# Altium PCB 1VAR_TOP.PcbDoc (part 3 of 4) (continued)
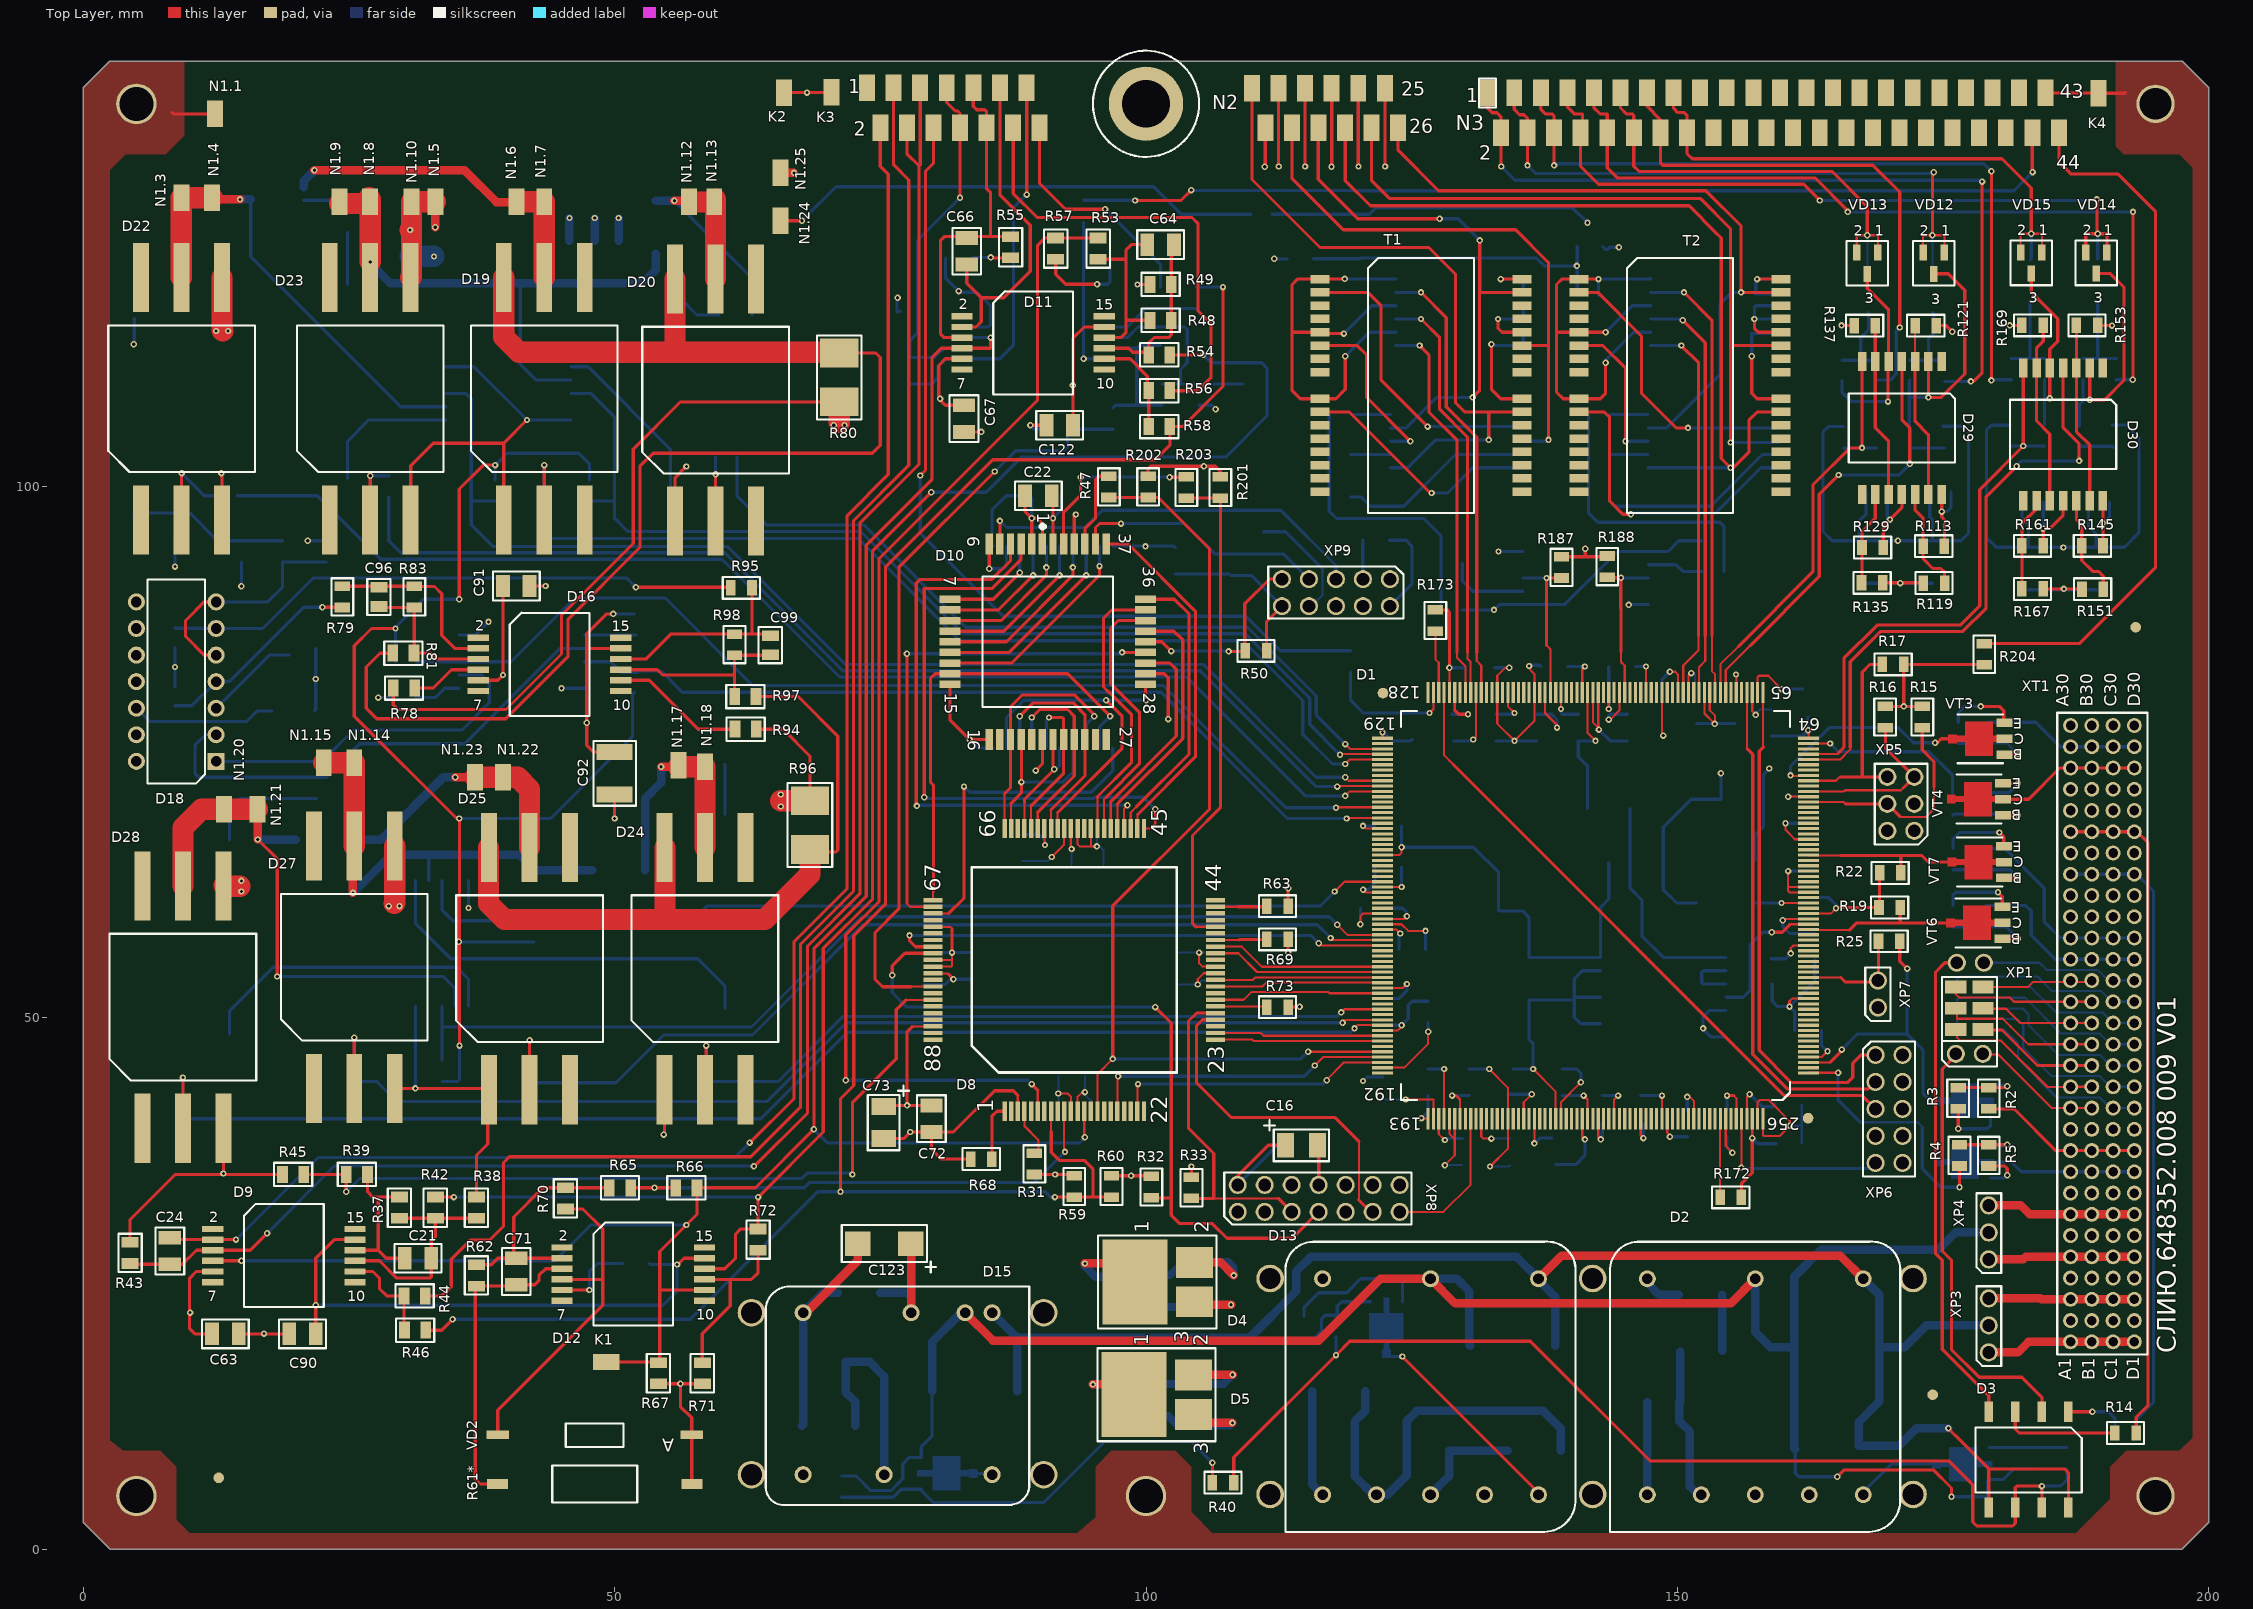
[diagram p0: Top Layer view]
## Nets (pads, with @x,y where several pads share a name; then routed paths per layer and width w, separated by ;. In a path a pad name is that pad's centre, name@x,y a point inside that pad or via, vN(x,y) a via of type N, cw(c..) or ccw(c..) an arc to the next point about the centre after c; other vN are vias at no path point) (continued)
NetD29_6: D29.6 D29.10 R137.2 | length 16.4
  Top Layer w0.3: R137.2@168.625,115.125 D29.6@168.625,111.75 168.625,105.5 169.875,104.25 D29.10@169.875,99.25
NetD29_9: D29.9 R129.2 R135.2 | length 9.3
  Top Layer w0.3: R135.2@167.375,90.5 R129.2@167.375,94.25 167.375,95.75 168.625,97 D29.9@168.625,99.25
NetD29_11: D29.11 R123.1 R129.1 | length 8.6
  Top Layer w0.3: R129.1@169.375,94.25 169.375,96.25 v1(170,96.875) 171.125,98 D29.11@171.125,99.25
  Bottom Layer w0.3: R123.1@169.75,99.625 169.75,97.125 v1(170,96.875)
NetD29_12: D29.12 R113.2 R119.2 | length 10.3
  Top Layer w0.3: D29.12@172.375,99.25 172.375,97.75 173.125,97 R113.2@173.125,94.375 173.125,93.2 174.05,92.275 174.775,92.275 175.15,91.9 R119.2@175.15,90.9 R119.2@175.15,90.5
NetD29_14: D29.14 R107.1 R113.1 | length 7.5
  Top Layer w0.3: D29.14@174.875,99.25 v1(174.875,97.625) 174.875,97.125 175.125,96.875 R113.1@175.125,94.375
  Bottom Layer w0.3: v1(174.875,97.625) 175.375,97.625 175.75,98 R107.1@175.75,99.5
NetD30_2: D30.2 R143.1 R148.2 VD14.3 | length 24.2
  Top Layer w0.3: D30.2@188.8,111.15 v1(188.8,108.15) 190.2,108.15 192.025,109.975 192.025,118.75 190.75,120.025 VD14.3@189.425,120.025 VD14.3@189.3,119.9
  Bottom Layer w0.3: R143.1@187.825,105.7 187.825,107.725 188.175,108.075 ; R148.2@188.175,110.025 188.175,108.075 ; v1(188.8,108.15) 188.25,108.15 188.175,108.075
NetD30_3: D30.3 D30.13 R153.2 | length 17
  Top Layer w0.3: R153.2@187.55,115.15 187.55,105.15 188.8,103.9 D30.13@188.8,98.65
NetD30_5: D30.5 R159.1 R164.2 VD15.3 | length 17.8
  Top Layer w0.3: VD15.3@183.3,120.025 183.3,118.275 185.8,115.775 185.8,113.65 185.05,112.9 D30.5@185.05,111.15 v1(185.05,108.275)
  Bottom Layer w0.3: R159.1@184.55,105.775 184.55,108.275 ; R164.2@184.55,110.025 184.55,108.275 ; v1(185.05,108.275) 184.55,108.275
NetD30_6: D30.6 D30.10 R169.2 | length 17.3
  Top Layer w0.3: R169.2@184.425,115.15 184.425,113.65 183.8,113.025 D30.6@183.8,111.15 183.8,106.15 185.05,104.9 D30.10@185.05,98.65
NetD30_9: D30.9 R161.2 R167.2 | length 9.3
  Top Layer w0.3: R167.2@182.425,89.9 R167.2@182.425,90.35 R161.2@182.425,94.4 182.425,96.525 183.8,97.9 D30.9@183.8,98.65
NetD30_11: D30.11 R155.1 R161.1 | length 7.9
  Top Layer w0.3: R161.1@184.425,94.4 v1(184.425,96.025) 185.05,96.025 186.3,97.275 D30.11@186.3,98.65
  Bottom Layer w0.3: v1(184.425,96.025) R155.1@184.425,98.525
NetD30_12: D30.12 R145.2 R151.2 | length 10.1
  Top Layer w0.3: D30.12@187.55,98.65 187.55,96.9 188.05,96.4 R145.2@188.05,94.4 188.05,93.025 189.075,92 189.625,92 190.075,91.55 R151.2@190.075,90.325 R151.2@190.075,89.95
NetD30_14: D30.14 R139.1 R145.1 | length 6.5
  Top Layer w0.3: R145.1@190.05,94.4 v1(190.05,96.525) D30.14@190.05,98.65
  Bottom Layer w0.3: v1(190.05,96.525) 190.675,97.15 R139.1@190.675,98.525
NetD34_3: D34.3 R196.2 | length 7.8
  Bottom Layer w0.3: R196.2@129.75,92.75 129.75,91.125 130.75,90.125 D34.3@135.475,90.125
NetD34_10: D34.10 R194.2 | length 5.4
  Bottom Layer w0.3: D34.10@147.275,92.625 149.875,92.625 150.5,92 R194.2@152.375,92
NetD35_1: D35.1 D35.2 T1.32 | length 5.4
  Top Layer w0.3: v1(133.375,119.5) T1.32@135.375,119.5
  Bottom Layer w0.3: v1(133.375,119.5) D35.1@135.5,119.5 D35.2@135.5,118.25
NetD35_3: D35.3 D35.4 T1.28 | length 6.9
  Top Layer w0.3: v1(133.125,115.75) 133.125,114.875 133.5,114.5 T1.28@135.375,114.5
  Bottom Layer w0.3: v1(133.125,115.75) D35.4@135.5,115.75 D35.3@135.5,117
NetD35_5: D35.5 D35.6 T1.24 | length 11.8
  Top Layer w0.3: v1(132.5,113.375) 132.5,109.125 133.375,108.25 T1.24@135.375,108.25
  Bottom Layer w0.3: v1(132.5,113.375) 132.625,113.25 D35.6@135.5,113.25 D35.5@135.5,114.5
NetD35_12: D35.12 D35.14 D35.16 R192.1 T1.1 T1.5 T1.9 | length 45.3
  Top Layer w0.3: v1(118.625,114.375) 116.5,114.375 T1.5@116.375,114.5 113.75,114.5 ; v1(118.7,119.525) 116.4,119.525 T1.1@116.375,119.5 114.25,119.5 113.75,119 113.75,114.5 ; v1(118.75,112.25) 118.75,109.125 117.875,108.25 T1.9@116.375,108.25 114.5,108.25 113.75,109 113.75,114.5
  Bottom Layer w0.3: v1(118.625,114.375) 121.25,117 D35.14@123.5,117 ; v1(118.7,119.525) 118.725,119.5 D35.16@123.5,119.5 ; v1(118.75,112.25) 121,114.5 D35.12@123.5,114.5
NetD36_2: D36.2 T1.2 | length 28.5
  Top Layer w0.3: T1.2@116.375,118.25 120.875,118.25 122.125,117 122.125,110 v1(126.5,105.625)
  Bottom Layer w0.3: v1(126.5,105.625) 135.375,105.625 D36.2@135.5,105.5
NetD36_3: D36.3 N2.18 T1.27 | length 53.8
  Top Layer w0.3: N2.18@113.725,133.725 113.725,129 118.575,124.15 134.775,124.15 137.875,121.05 ; T1.27@135.375,113.25 137.875,113.25 ; v1(137.875,104.375) 137.875,113.25 ; 137.888,121.037 137.875,121.05 ; 137.875,113.25 137.875,121.05
  Bottom Layer w0.3: D36.3@135.5,104.25 137.75,104.25 v1(137.875,104.375)
NetD36_4: D36.4 R198.1 | length 18.6
  Bottom Layer w0.3: R198.1@119.25,99 120.25,99 121.125,98.125 124.25,98.125 129.125,103 D36.4@135.5,103
NetD36_5: D36.5 T1.10 | length 23.3
  Top Layer w0.3: T1.10@116.375,107 119.125,107 126.75,99.375 v1(126.875,99.375)
  Bottom Layer w0.3: v1(126.875,99.375) 128.375,99.375 130.75,101.75 D36.5@135.5,101.75
NetD36_10: D36.10 N2.15 T1.23 | length 63.1
  Top Layer w0.3: N2.15@109.975,137.475 109.975,128.875 116.375,122.475 126.625,122.475 129.125,119.975 129.125,107.875 130,107 132.25,107 ; v1(132.25,104.375) 132.25,107 ; T1.23@135.375,107 132.25,107
  Bottom Layer w0.3: D36.10@123,101.75 124.625,101.75 127.25,104.375 v1(132.25,104.375)
NetD36_11: D36.11 R200.1 | length 3.8
  Bottom Layer w0.3: R200.1@119.25,103 D36.11@123,103
NetD36_12: D36.12 T1.6 | length 16.4
  Top Layer w0.3: T1.6@116.375,113.25 119.875,113.25 120.75,112.375 120.75,108.375 v1(124.875,104.25)
  Bottom Layer w0.3: D36.12@123,104.25 v1(124.875,104.25)
NetD36_13: D36.13 N2.20 T1.31 | length 50.4
  Top Layer w0.3: N2.20@116.225,133.725 116.2,133.7 116.2,128.9 119.925,125.175 v1(127.625,125.175) ; v1(130.75,108.375) 131.375,109 131.375,118.25 ; v1(131.4,123.15) 131.4,118.275 131.375,118.25 ; T1.31@135.375,118.25 131.375,118.25
  Bottom Layer w0.3: D36.13@123,105.5 124.5,105.5 127.375,108.375 v1(130.75,108.375) ; v1(127.625,125.175) 129.375,125.175 v1(131.4,123.15)
NetD36_14: D36.14 R195.1 | length 3.4
  Bottom Layer w0.3: R195.1@119.625,106.75 D36.14@123,106.75
NetD37_1: D37.1 D37.2 T2.32 | length 7.7
  Top Layer w0.3: v1(157.5,119.5) T2.32@159.75,119.5
  Bottom Layer w0.3: D37.2@159.375,118.125 157.375,118.125 157.375,119.375 v1(157.5,119.5) D37.1@159.5,119.5
NetD37_3: D37.3 D37.4 T2.28 | length 9.2
  Top Layer w0.3: v1(157.25,115.75) 157.25,114.875 157.625,114.5 T2.28@159.75,114.5
  Bottom Layer w0.3: D37.4@159.5,115.75 v1(157.25,115.75) 157.25,116.875 157.375,117 D37.3@159.5,117
NetD37_5: D37.5 D37.6 T2.24 | length 13.3
  Top Layer w0.3: v1(157,112.25) 157,108.75 157.5,108.25 T2.24@159.75,108.25
  Bottom Layer w0.3: v1(157,112.25) 157,114.375 D37.5@159.375,114.375 ; 157.125,113.25 D37.6@159.5,113.25
NetD37_12: D37.12 D37.14 D37.16 R191.1 T2.1 T2.5 T2.9 | length 44.3
  Top Layer w0.3: v1(142.575,119.5) T2.1@140.75,119.5 139.125,119.5 138.625,119 138.625,114.5 ; v1(143.25,111.625) 143.25,108.75 142.75,108.25 T2.9@140.75,108.25 139.25,108.25 138.625,108.875 138.625,114.5 ; v1(143.25,114.5) T2.5@140.75,114.5 138.625,114.5
  Bottom Layer w0.3: R191.1@142.575,117.95 v1(142.575,119.5) 147.35,119.5 147.425,119.575 D37.16@147.5,119.5 ; v1(143.25,111.625) 143.25,111.875 145.875,114.5 D37.12@147.5,114.5 ; v1(143.25,114.5) 145.75,117 D37.14@147.5,117
NetD38_2: D38.2 T2.2 | length 27.4
  Top Layer w0.3: T2.2@140.75,118.25 142.5,118.25 146.625,114.125 146.625,108.75 149.875,105.5 v1(151,105.5)
  Bottom Layer w0.3: v1(151,105.5) D38.2@159.75,105.5
NetD38_3: D38.3 N2.24 T2.27 | length 70.1
  Top Layer w0.3: N2.24@121.225,133.725 121.225,128.775 122.9,127.1 152.15,127.1 155,124.25 155,113.25 ; v1(155,104.125) 155,113.25 ; T2.27@159.75,113.25 155,113.25
  Bottom Layer w0.3: v1(155,104.125) D38.3@159.625,104.125
NetD38_4: D38.4 R197.1 | length 19.4
  Bottom Layer w0.3: R197.1@143.625,99.625 143.625,98.625 144.125,98.125 153.125,98.125 158,103 D38.4@159.75,103
NetD38_5: D38.5 T2.10 | length 29.4
  Top Layer w0.3: T2.10@140.75,107 143.125,107 143.625,106.5 143.625,98.625 144.875,97.375 v1(145.625,97.375)
  Bottom Layer w0.3: v1(145.625,97.375) 145.75,97.5 153.625,97.5 157.875,101.75 D38.5@159.75,101.75
NetD38_10: D38.10 N2.22 T2.23 | length 81
  Top Layer w0.3: N2.22@118.725,133.725 118.75,133.7 118.75,128.775 121.125,126.4 151.1,126.4 153.625,123.875 154.125,123.375 154.125,102.625 v1(155,101.75) 155.25,101.75 156.75,103.25 156.75,106.25 157.5,107 T2.23@159.75,107
  Bottom Layer w0.3: D38.10@147.25,101.75 v1(155,101.75)
NetD38_11: D38.11 R199.1 | length 3.6
  Bottom Layer w0.3: R199.1@143.625,103 D38.11@147.25,103
NetD38_12: D38.12 T2.6 | length 14.3
  Top Layer w0.3: T2.6@140.75,113.25 143,113.25 145.125,111.125 v1(145.125,104.25)
  Bottom Layer w0.3: v1(145.125,104.25) D38.12@147.25,104.25
NetD38_13: D38.13 N2.26 T2.31 | length 65.2
  Top Layer w0.3: N2.26@123.725,133.725 123.725,131.625 127.525,127.825 152.675,127.825 156,124.5 v1(156,118.25) T2.31@159.75,118.25
  Bottom Layer w0.3: D38.13@147.25,105.5 149,105.5 154,110.5 154,117.125 155.125,118.25 v1(156,118.25)
NetD38_14: D38.14 R193.1 | length 3.6
  Bottom Layer w0.3: R193.1@143.625,106.75 D38.14@147.25,106.75
NetN1.24_1: N1.24.1 R207.1 | length 46.6
  Top Layer w0.3: N1.24.1@65.625,125 v1(67.625,125)
  Bottom Layer w0.3: v1(67.625,125) 70.825,128.2 100.725,128.2 103.325,125.6 R207.1@109.85,125.6
NetN2_3: N2.3 R44.1 | length 148.4
  Top Layer w0.3: R44.1@32.175,23.825 33.75,23.825 34.625,24.7 34.625,27.275 36.425,29.075 38.225,29.075 39.55,30.4 39.55,36.375 40.1,36.925 62.809,36.925 67.5,41.616 67.5,56.94 72.475,61.915 72.475,96.775 77.675,101.975 77.675,128.825 76.25,130.25 N2.3@76.25,137.5
NetN2_6: N2.6 R205.1 | length 83.8
  Top Layer w0.3: v1(78.75,101.025) 79.25,101.525 79.25,129.65 80,130.4 N2.6@80,133.75
  Bottom Layer w0.3: v1(78.75,101.025) 78.75,95.6 86.575,87.775 109.375,87.775 112.625,84.525 R205.1@119.25,84.525
NetN2_12: N2.12 R56.1 | length 44.1
  Top Layer w0.3: N2.12@87.5,133.75 87.5,127.55 89.75,125.3 104.325,125.3 104.9,124.725 104.9,116.5 106.125,115.275 106.125,110.25 104.875,109 R56.1@102.25,109
NetN2_14: N2.14 R34.1 | length 21.9
  Top Layer w0.3: N2.14@89.975,133.725 89.975,128.525 92.425,126.075 v1(96.15,126.075)
  Bottom Layer w0.3: v1(96.15,126.075) 101.375,120.85 R34.1@101.375,118.75
NetN3_1: N3.1 N3.2 R115.1 | length 75.4
  Top Layer w0.3: N3.1@132.15,137.025 132.15,135.575 132.575,135.15 133.025,135.15 133.4,134.775 N3.2@133.4,133.275 133.4,130.125 v1(133.425,130.1) ; v1(177.625,109.875) 177.875,109.875 178.675,110.675 v1(178.675,128.675)
  Bottom Layer w0.3: v1(133.425,130.1) 134.725,128.8 178.55,128.8 v1(178.675,128.675) ; R115.1@175.125,109.875 v1(177.625,109.875)
NetN3_5: N3.5 N3.6 R163.1 | length 70.8
  Top Layer w0.3: N3.5@137.15,137.025 137.15,135.5 137.625,135.025 138.225,135.025 138.4,134.85 N3.6@138.4,133.275 v1(138.4,130.2) ; v1(179.55,109.975) v1(179.55,129.65)
  Bottom Layer w0.3: v1(138.4,130.2) 138.55,130.35 178.85,130.35 v1(179.55,129.65) ; v1@179.525,110.025 v1@179.55,110.025 ; v1(179.55,109.975) 179.6,110.025 R163.1@181.425,110.025
NetN3_9: N3.9 N3.10 R147.1 | length 76.6
  Top Layer w0.3: N3.9@142.15,137.025 142.15,135.625 142.725,135.05 143.4,135.05 N3.10@143.4,133.275 143.4,129.975 144.35,129.025 162.95,129.025 166.025,125.95 v1(166.025,125.825) ; v1(192.85,110.025) 192.875,110.05 v1(192.875,125.825)
  Bottom Layer w0.3: v1(166.025,125.825) v1(192.875,125.825) ; R147.1@191.3,110.025 v1(192.85,110.025)
NetN3_13: N3.13 N3.14 R131.1 | length 50.1
  Top Layer w0.3: N3.13@147.15,137.025 147.15,135.75 148.4,134.5 N3.14@148.4,133.275 148.4,130.45 148.625,130.225 168.4,130.225 170.925,127.7 v1(170.925,114.95)
  Bottom Layer w0.3: R131.1@168.75,110 170.025,110 170.6,110.575 170.6,114.625 v1(170.925,114.95)
NetN3_42: N3.42 R206.1 | length 94.1
  Top Layer w0.3: v1(98.975,126.9) 103.275,126.9 v1(104.25,127.875) ; N3.42@183.4,133.275 183.4,129.6 v1(183.425,129.575)
  Bottom Layer w0.3: R206.1@94.15,126.925 98.95,126.925 v1(98.975,126.9) ; v1(104.25,127.875) 104.275,127.85 119.936,127.85 119.961,127.825 181.675,127.825 v1(183.425,129.575)
NetN3_44: N3.44 R204.1 | length 66.4
  Top Layer w0.3: R204.1@178.875,85.2 187.825,85.2 195,92.375 195,125.825 191.425,129.4 187,129.4 185.9,130.5 N3.44@185.9,133.275
NetR2_1: R2.1 XT1.10 XT1.40 XT1.70 XT1.100 | length 15.3
  Top Layer w0.3: R2.1@179.3,41.425 181.675,41.425 185.6,37.5 XT1.10@187,37.5 XT1.40@189,37.5 XT1.70@191,37.5 XT1.100@193,37.5
NetR2_2: R2.2 R3.2 VT1.B | length 6.3
  Top Layer w0.3: R3.2@176.425,43.425 R2.2@179.3,43.425 180.925,43.425 v1(181.05,43.55)
  Bottom Layer w0.3: VT1.B@179.455,43.675 180.925,43.675 v1(181.05,43.55)
NetR4_1: R4.1 R5.1 VT2.B | length 6.1
  Top Layer w0.3: R4.1@176.55,38.05 R5.1@179.3,38.05 v1(181.05,38.05)
  Bottom Layer w0.3: VT2.B@179.455,37.925 180.925,37.925 v1(181.05,38.05)
NetR7_1: R7.1 XT1.29 XT1.59 XT1.89 XT1.119 | length 14.7
  Bottom Layer w0.3: R7.1@179.225,77.8 183.75,77.8 184.025,77.525 185.425,76.125 186.05,75.5 XT1.29@187,75.5 XT1.59@189,75.5 XT1.89@191,75.5 XT1.119@193,75.5
NetR7_2: R7.2 R8.2 VT3.B | length 7.3
  Top Layer w0.2: VT3.B@180.78,74.75 180.83,74.8 v1(182.05,74.8)
  Bottom Layer w0.2: R7.2@179.225,75.8 181.05,75.8 v1(182.05,74.8)
  Bottom Layer w0.3: R8.2@176.425,75.8 R7.2@179.225,75.8
NetR9_1: R9.1 R10.1 VT4.B | length 7.3
  Top Layer w0.3: VT4.B@180.955,69.05 v1(182.05,69.05)
  Bottom Layer w0.3: R9.1@175.925,69.05 175.962,69.087 176.05,69.175 R10.1@179.05,69.175 181.925,69.175 v1(182.05,69.05)
NetR11_2: R11.2 R12.2 VT5.B | length 7.3
  Bottom Layer w0.3: VT5.B@179.33,9.55 R11.2@183.55,9.55 R12.2@186.675,9.55
NetR20_1: R20.1 XT1.19 XT1.49 XT1.79 XT1.109 | length 17.4
  Bottom Layer w0.3: R20.1@179.05,60.55 182.8,60.55 183.3,60.05 183.3,57.75 185.55,55.5 XT1.19@187,55.5 XT1.49@189,55.5 XT1.79@191,55.5 XT1.109@193,55.5
NetR20_2: R20.2 R21.2 VT6.B | length 8.1
  Top Layer w0.3: VT6.B@180.58,57.425 v1(182.05,57.425)
  Bottom Layer w0.3: R21.2@175.925,58.55 R20.2@179.05,58.55 180.925,58.55 v1(182.05,57.425)
NetR23_1: R23.1 XT1.20 XT1.50 XT1.80 XT1.110 | length 19.3
  Bottom Layer w0.3: R23.1@179.05,65.925 180.8,65.925 184.525,62.2 184.525,59.025 186.05,57.5 XT1.20@187,57.5 XT1.50@189,57.5 XT1.80@191,57.5 XT1.110@193,57.5
NetR23_2: R23.2 R24.2 VT7.B | length 7.8
  Top Layer w0.3: VT7.B@180.705,63.175 v1(182.05,63.175)
  Bottom Layer w0.3: R24.2@175.925,63.925 R23.2@179.05,63.925 181.3,63.925 v1(182.05,63.175)
NetR40_1: R40.1 R41.2 VT8.B | length 40.9
  Top Layer w0.3: R40.1@106.25,6.25 v1(106.25,8.125)
  Bottom Layer w0.3: R41.2@71.355,4.88 76.23,4.88 76.975,5.625 VT8.B@78.845,5.625 78.845,5.515 79.98,4.38 90.38,4.38 96.125,10.125 104.25,10.125 v1(106.25,8.125)
NetR74_1: R74.1 R75.2 VT9.B | length 8.8
  Bottom Layer w0.3: R74.1@114.875,19.875 115.875,19.875 116.5,20.5 116.5,21.625 116.875,22 R75.2@117.875,22 118,22.125 118,22.875 118.405,23.28 VT9.B@121.125,23.28
NetR86_1: R86.1 VD5.C | length 5
  Bottom Layer w0.3: VD5.C@24.875,119 R86.1@24.875,123.95
NetR87_1: R87.1 VD7.C | length 5.2
  Bottom Layer w0.3: VD7.C@55.25,117.75 56.125,117.75 57.75,116.125 R87.1@59.825,116.125
NetR101_1: R101.1 VD9.C | length 4.7
  Bottom Layer w0.3: R101.1@60.35,73.825 60.375,73.8 VD9.C@60.375,69.125
NetR102_1: R102.1 VD11.C | length 11.5
  Bottom Layer w0.3: VD11.C@13.75,66.75 13.75,69.625 14.75,70.625 R102.1@21.95,70.625
NetR189_1: R189.1 R193.2 R194.1 R197.2 R199.2 | length 26.8
  Bottom Layer w0.3: R193.2@141.625,106.75 R199.2@141.625,103 141.625,97.5 142.5,96.625 154,96.625 154.375,96.25 R194.1@154.375,92
NetR190_1: R190.1 R195.2 R196.1 R198.2 R200.2 | length 27.5
  Bottom Layer w0.3: R195.2@117.25,106.75 R200.2@117.25,103 R198.2@117.25,99 117.25,97.65 117.925,96.975 126.15,96.975 127.75,95.375 R196.1@127.75,92.75 R190.1@127.75,88.375
NetVT2_C: VT2.C XT1.9 XT1.39 XT1.69 XT1.99 | length 13.9
  Bottom Layer w0.3: VT2.C@179.455,36.425 181.425,36.425 182.35,35.5 XT1.9@187,35.5 XT1.39@189,35.5 XT1.69@191,35.5 XT1.99@193,35.5
NetVT4_C: VT4.C XT1.28 XT1.58 XT1.88 XT1.118 | length 13.5
  Top Layer w0.3: VT4.C@180.705,70.55 183.05,70.55 186,73.5 XT1.28@187,73.5 XT1.58@189,73.5 XT1.88@191,73.5 XT1.118@193,73.5
NetXP1_2: XP1.2 XT1.12 XT1.42 | length 12.4
  Top Layer w0.2: XP1.2@178.74,46.6 178.84,46.55 180.175,46.55 185.225,41.5 XT1.12@187,41.5 XT1.42@189,41.5
NetXP1_3: XP1.3 XT1.13 XT1.43 | length 15.4
  Top Layer w0.2: XP1.3@176.2,48.9 176.3,48.85 176.3,48.175 176.625,47.85 180.45,47.85 184.825,43.475 186.975,43.475 XT1.13@187,43.5 XT1.43@189,43.5
NetXP1_4: XP1.4 XT1.14 XT1.44 | length 11.7
  Top Layer w0.254: XP1.4@178.75,48.9 178.75,48.85 180.55,48.85 183.9,45.5 XT1.14@187,45.5 XT1.44@189,45.5
NetXP1_5: XP1.5 XT1.15 XT1.45 | length 14.8
  Top Layer w0.2: XP1.5@176.2,50.9 176.3,50.85 176.3,49.9 180.625,49.9 181.375,49.15 183.025,47.5 XT1.15@187,47.5 XT1.45@189,47.5
NetXP1_6: XP1.6 XT1.16 XT1.46 | length 10.8
  Top Layer w0.2: XP1.6@178.75,50.9 178.85,50.85 180.925,50.85 182.275,49.5 XT1.16@187,49.5 XT1.46@189,49.5
NetXP1_7: XP1.7 XT1.17 XT1.47 | length 13.8
  Top Layer w0.2: XP1.7@176.2,52.9 176.2,52.225 176.525,51.9 181.275,51.9 181.675,51.5 XT1.17@187,51.5 XT1.47@189,51.5
NetXP1_8: XP1.8 XT1.18 XT1.48 | length 10.5
  Top Layer w0.2: XP1.8@178.75,52.9 183.025,52.9 183.5,53.375 188.875,53.375 XT1.48@189,53.5
NetXP2_2: XP2.2 XT1.78 XT1.108 | length 14.9
  Bottom Layer w0.2: XP2.2@178.84,55.175 184.075,55.175 184.75,54.5 189.556,54.5 190.556,53.5 XT1.78@191,53.5 XT1.108@193,53.5
NetXP2_3: XP2.3 XT1.77 XT1.107 | length 18.5
  Bottom Layer w0.2: XP2.3@176.3,52.875 176.3,53.55 176.625,53.875 183.9,53.875 185.275,52.5 189.875,52.5 190.875,51.5 XT1.77@191,51.5 XT1.107@193,51.5
NetXP2_4: XP2.4 XT1.76 XT1.106 | length 15.5
  Bottom Layer w0.2: XP2.4@178.85,52.875 183.25,52.875 185.625,50.5 190,50.5 XT1.76@191,49.5 XT1.106@193,49.5
NetXP2_5: XP2.5 XT1.75 XT1.105 | length 19.4
  Bottom Layer w0.2: XP2.5@176.3,50.875 176.3,51.675 176.5,51.875 182.725,51.875 186.1,48.5 189.75,48.5 190.75,47.5 XT1.75@191,47.5 XT1.105@193,47.5
NetXP2_6: XP2.6 XT1.74 XT1.104 | length 17
  Bottom Layer w0.2: XP2.6@178.85,50.875 182.475,50.875 183.05,50.3 183.05,49.3 185.85,46.5 189.414,46.5 189.75,46.5 190.75,45.5 XT1.74@191,45.5 XT1.104@193,45.5
NetXP2_7: XP2.7 XT1.73 XT1.103 | length 21.5
  Bottom Layer w0.2: XP2.7@176.3,48.875 176.3,49.675 176.5,49.875 181.975,49.875 182.55,49.3 182.55,47.175 185.225,44.5 189.414,44.5 189.75,44.5 190.75,43.5 XT1.73@191,43.5 XT1.103@193,43.5
NetXP2_8: XP2.8 XT1.72 XT1.102 | length 18.1
  Bottom Layer w0.2: XP2.8@178.85,48.875 180.775,48.875 182.05,47.6 182.05,46.125 185.675,42.5 189.75,42.5 190.75,41.5 XT1.72@191,41.5 XT1.102@193,41.5
NetXP3_1: XP3.1 XT1.1 XT1.31 XT1.61 XT1.91 | length 14.1
  Top Layer w0.8: XP3.1@179.3,18.51 182.05,18.51 183.04,19.5 XT1.1@187,19.5 XT1.31@189,19.5 XT1.61@191,19.5 XT1.91@193,19.5
NetXP3_3: XP3.3 XT1.3 XT1.33 XT1.63 XT1.93 | length 13.7
  Top Layer w0.8: XP3.3@179.3,23.59 184.16,23.59 184.25,23.5 XT1.3@187,23.5 XT1.33@189,23.5 XT1.63@191,23.5 XT1.93@193,23.5
NetXP4_1: XP4.1 XT1.5 XT1.35 XT1.65 XT1.95 | length 13.8
  Top Layer w0.8: XP4.1@179.3,27.26 182.54,27.26 182.78,27.5 XT1.5@187,27.5 XT1.35@189,27.5 XT1.65@191,27.5 XT1.95@193,27.5
NetXP4_3: XP4.3 XT1.7 XT1.37 XT1.67 XT1.97 | length 14
  Top Layer w0.8: XP4.3@179.3,32.34 182.335,32.34 183.175,31.5 XT1.7@187,31.5 XT1.37@189,31.5 XT1.67@191,31.5 XT1.97@193,31.5
OFFSET: D12.13 R29.1 R42.1 R54.1 R72.1 | length 163.1
  Top Layer w0.3: R42.1@33.125,33.125 v1(34.875,33.125) ; D12.13@58.45,26.375 60.375,26.375 61.375,27.375 61.375,29.625 61.875,30.125 R72.1@63.5,30.125 v1(63.5,33.125) 69.625,39.25 69.625,56.519 74.275,61.169 74.275,93.925 v1(79.8,99.45) ; R54.1@102.25,112.375 v1(105.375,112.375)
  Bottom Layer w0.3: v1(34.875,33.125) v1(63.5,33.125) ; v1(79.8,99.45) 84.95,99.45 88.25,102.75 107.5,102.75 111.375,106.625 111.375,111.125 110.875,111.625 R29.1@109.125,111.625 106.125,111.625 v1(105.375,112.375)
P12V: C68.2 C92.2 C93.1 C123.plus D15.3 D16.14 D18.3 R76.2 R82.2 R92.2 | length 45.8
  Top Layer w0.3: v1(49.875,88) 49.25,88 47.375,86.125 47.375,84.75 ; C92.2@50,75 48,75 47.375,75.625 v1(47.375,77.75) 47.375,84.75 ; D16.14@50.75,84.75 D16.14@50.575,84.75 47.375,84.75
  Top Layer w0.8: C123.plus@77.875,28.75 77.895,28.73 D15.3@77.895,22.245
  Bottom Layer w0.3: D18.3@12.5,79.125 17.5,84.125 C93.1@19.375,84.125 ; v1(14.875,90.6) R82.2@14.875,92.875 ; v1(27.75,80.125) R92.2@29.25,80.125 ; v1(49.875,88) R76.2@51.875,88
  Bottom Layer w0.8: C68.2@75,24.125 77.485,24.125 77.895,23.715 D15.3@77.895,22.245
P27V: C68.1 C69.2 C91.2 C92.1 C93.2 C94.1 C95.1 C97.1 C98.1 C123.minus C124.plus D15.4 D34.2 D34.9 N1.2.1 N1.11.1 N1.19.1 R78.1 R80.2 R94.1 R96.2 R189.2 R190.2 R209.1 VD3.A | length 153.2
  Top Layer w0.3: R78.1@29.175,81.025 29.175,79.45 29.625,79 39.776,79 45,84.224 45,87.875 51.75,94.625 51.75,103.5 56.2,107.95 R80.2@71.125,107.95 ; C91.2@42,90.625 v1(43.5,90.625) ; v1(50,68.75) C92.1@50,71 ; R94.1@63.325,77.15 65.85,77.15 68.375,74.625 R96.2@68.375,70.425
  Top Layer w0.8: D15.4@67.735,22.245 67.995,22.245 72.875,27.125 C123.minus@72.875,28.75
  Top Layer w2: 65.625,70.425 R96.2@68.375,70.425 ; 71.125,106 R80.2@71.125,107.95
  Bottom Layer w0.3: v1(4.75,113.375) 4.8,113.425 VD3.A@4.8,115.775 ; C95.1@8.625,81.15 v1(8.625,83) C98.1@8.625,84.85 ; v1@8.625,92.425 v1(8.625,92.45) C97.1@8.625,95 ; v1(21.125,94.875) R209.1@22.875,94.875 ; C94.1@21.75,78.875 21.875,79 v1(21.875,81.875) C93.2@21.875,84.125 C93.2@21.875,84.75 ; R190.2@129.75,88.375 v1(132.75,88.375) 133.25,88.875 D34.2@135.475,88.875 139.375,88.875 144.375,93.875 D34.9@147.275,93.875 149.125,93.875 150.125,94.875 R189.2@152.25,94.875
  Bottom Layer w0.8: N1.19.1@45.75,123.125 v1(45.75,125.25) ; N1.2.1@48.125,123.125 v1(48.125,125.25) ; N1.11.1@50.375,123.125 v1(50.375,125.25) ; C124.plus@67.625,11.625 67.75,11.75 C69.2@67.75,17.625 67.75,22.23 D15.4@67.735,22.245 69.615,24.125 C68.1@71,24.125
  other v1: 65.625,69.875 65.625,71 70.625,105.75 71.625,105.75
POROG: D18.5 D18.7 R208.1 R209.2 | length 22
  Top Layer w0.3: D18.5@12.5,84.125 11.375,84.125 9.625,85.875 9.625,87.375 11.375,89.125 D18.7@12.5,89.125
  Bottom Layer w0.3: D18.7@12.5,89.125 17.375,89.125 18.75,90.5 R208.1@18.75,92.875 R209.2@22.875,92.875
RESET: D1.29 D6.4 | length 13.1
  Top Layer w0.2: 160.55,58.8 D1.29@162.35,58.8
  Top Layer w0.3: v1(158.875,58.05) 159.861,58.05 160.561,58.75
  Bottom Layer w0.3: D6.4@154.575,51.925 156.175,51.925 156.85,52.6 156.85,56.85 158.05,58.05 v1(158.875,58.05)
RX1: D1.3 R1.2 VT1.C | length 25.9
  Top Layer w0.2: D1.3@162.35,45.8 164.375,45.8
  Top Layer w0.3: 164.375,45.8 165.475,46.9 v1(165.475,47)
  Bottom Layer w0.3: v1(165.475,47) 166.95,48.475 171.6,48.475 ; R1.2@171.6,51.05 171.6,48.475 ; VT1.C@179.455,42.175 173.8,42.175 173.125,42.85 173.125,46.95 171.6,48.475
RX2: D1.57 R6.2 VT3.C | length 25
  Top Layer w0.2: v1(160.65,72.8) 160.7,72.75 162.093,72.75 162.143,72.8 D1.57@162.35,72.8
  Top Layer w0.3: v1(174.25,75.875) 174.475,75.875 174.85,76.25 VT3.C@180.78,76.25
  Bottom Layer w0.3: v1(160.65,72.8) 160.65,73.65 164.3,77.3 R6.2@169.675,77.3 170.8,77.3 172.225,75.875 v1(174.25,75.875)
SCK: D1.185 D8.24 | length 15.8
  Top Layer w0.2: D8.24@106.55,48.563 110.812,48.563 111.075,48.3 D1.185@122.25,48.3
SENS1: D1.72 D29.4 R108.1 R111.2 | length 46.7
  Top Layer w0.2: D1.72@154.55,80.6 154.55,82.725 156.84,85.015
  Top Layer w0.3: 156.84,85.015 163.35,91.525 163.35,99.25 v1(165.175,101.075) ; D29.4@171.125,111.75 171.125,106.25 171.875,105.5 v1(171.875,102.125)
  Bottom Layer w0.3: v1(165.175,101.075) 170.875,101.075 171.875,102.075 v1(171.875,102.125) 171.875,103.625 R108.1@175.125,103.625
SENS2: D1.73 D29.7 R124.1 R127.2 | length 40.5
  Top Layer w0.2: D1.73@154.05,80.6 154.05,83.25 155.762,84.962
  Top Layer w0.3: 155.762,84.962 162.75,91.95 162.75,100.125 166.25,103.625 v1(167.375,103.625) D29.7@167.375,111.75
  Bottom Layer w0.3: R124.1@165.625,103.625 R127.2@168.75,103.625
SENS3: D1.60 D30.4 R140.1 R143.2 | length 62.1
  Top Layer w0.2: D1.60@162.35,74.3 165.328,74.3 166.275,75.247 166.275,75.425
  Top Layer w0.3: 166.275,75.425 166.275,83.5 169.125,86.35 176.874,86.35 179.05,88.526 179.05,99.025 v1(181.925,101.9) ; D30.4@186.3,111.15 186.3,105.525 187.8,104.025 v1(187.8,102.4)
  Bottom Layer w0.3: v1(181.925,101.9) 182.425,102.4 v1(187.8,102.4) 187.8,103.775 R140.1@190.925,103.775 R140.1@191.05,103.65
SENS4: D1.61 D30.7 R156.1 R159.2 | length 54.2
  Top Layer w0.2: D1.61@162.35,74.8 165.05,74.8 165.15,74.9
  Top Layer w0.3: 165.15,74.9 165.675,75.425 165.675,83.825 168.8,86.95 176.625,86.95 178.45,88.775 178.45,99.7 v1(182.55,103.8) D30.7@182.55,111.15
  Bottom Layer w0.3: R156.1@181.3,103.775 181.325,103.8 v1(182.55,103.8) 184.525,103.8 R159.2@184.55,103.775
TICK: D1.172 D8.37 | length 16.5
  Top Layer w0.2: D8.37@106.55,56.687 109.02,56.687 110.907,54.8 D1.172@122.25,54.8
TS1: D8.80 R28.1 R35.2 | length 71.9
  Top Layer w0.2: 77.875,52.923 79.935,52.923 D8.80@79.95,52.938
  Top Layer w0.3: 77.875,52.923 75.202,52.923 74.5,53.625 74.5,58 76.75,60.25 76.75,92.375 v1(85.775,101.4)
  Bottom Layer w0.3: v1(85.775,101.4) 87.725,103.35 92.225,103.35 92.625,103.75 R35.2@92.625,105.375 R28.1@96.875,105.375
TS2: D8.82 R39.1 R45.2 | length 75.1
  Top Layer w0.2: 77.429,51.679 79.942,51.679 D8.82@79.95,51.688
  Top Layer w0.3: R45.2@20.75,35.25 R39.1@24.75,35.25 v1(24.75,33.625) ; v1(72.375,35.25) 72.375,42 76.5,46.125 76.5,50.75 77.429,51.679
  Bottom Layer w0.3: v1(24.75,33.625) 26,34.875 67.625,34.875 68.125,35.375 72.25,35.375 v1(72.375,35.25)
TS3: D8.6 R53.1 R57.2 | length 112.5
  Top Layer w0.2: D8.6@89.813,41.2 89.813,43.187
  Top Layer w0.3: v1(71.75,44.125) 71.75,57.796 74.875,60.921 74.875,93.2 89.8,108.125 89.8,122.7 90.475,123.375 R57.2@91.5,123.375 R53.1@95.5,123.375 ; v1(89.25,43.75) 89.813,43.187
  Bottom Layer w0.3: v1(71.75,44.125) 88.875,44.125 v1(89.25,43.75)
TST1: D1.177 D8.29 | length 16.1
  Top Layer w0.2: D8.29@106.55,51.688 109.188,51.688 109.938,52.438 117.125,52.438 117.263,52.3 D1.177@122.25,52.3
TST2: D1.175 D8.31 | length 15.9
  Top Layer w0.2: D8.31@106.55,52.938 110.938,52.938 111.3,53.3 D1.175@122.25,53.3
TST3: D1.174 D8.32 | length 15.8
  Top Layer w0.2: D8.32@106.55,53.563 110.063,53.563 110.3,53.8 D1.174@122.25,53.8
TST4: D1.173 D8.36 | length 16.4
  Top Layer w0.2: D8.36@106.55,56.062 108.688,56.062 110.45,54.3 D1.173@122.25,54.3
TSTI1: D1.118 D35.15 | length 42.4
  Top Layer w0.2: 131.125,84.375 131.125,83.575 131.55,83.15 D1.118@131.55,80.6
  Top Layer w0.3: v1(125.875,118.25) 128.25,115.875 128.25,107.5 131.125,104.625 131.125,84.375
  Bottom Layer w0.3: D35.15@123.5,118.25 v1(125.875,118.25)

## Text inside footprints (layer, text, board x,y; h text height)
D16: Top Overlay, Top Silk "2" at 36.875,86.4 h1; Top Overlay, Top Silk "7" at 36.7,78.95 h1; Top Overlay, Top Silk "15" at 49.725,86.35 h1; Top Overlay, Top Silk "10" at 49.825,78.95 h1; Mechanical 25 "15" at 47.575,85.025 h2; Mechanical 25 "2" at 38.75,85.075 h2; Mechanical 25 "7" at 38.7,80.175 h2; Mechanical 25 "10" at 47.675,80.125 h2
D17: Mechanical 26 "1" at 45.525,86.6 h2; Mechanical 26 "7" at 45.875,79.225 h2; Mechanical 26 "8" at 37.35,79.175 h2; Mechanical 26 "14" at 38.175,86.675 h2
D18: Mechanical 25 "14" at 7.607,74.64 h2 r180; Mechanical 25 "1" at 11.417,74.513 h2 r180; Mechanical 25 "8" at 6.845,89.499 h2 r180; Mechanical 25 "7" at 11.036,89.626 h2 r180
D19: Mechanical 25 "6" at 39.875,115.375 h2 r90; Mechanical 25 "4" at 47.475,115.275 h2 r90; Mechanical 25 "3" at 47.5,100.65 h2 r90; Mechanical 25 "1" at 39.85,100.65 h2 r90
D20: Mechanical 25 "6" at 56,115.25 h2 r90; Mechanical 25 "4" at 63.6,115.15 h2 r90; Mechanical 25 "3" at 63.625,100.525 h2 r90; Mechanical 25 "1" at 55.975,100.525 h2 r90
D21: Mechanical 26 "1" at 35.725,105.65 h2 r180; Mechanical 26 "7" at 35.375,113.025 h2 r180; Mechanical 26 "8" at 43.9,113.075 h2 r180; Mechanical 26 "14" at 43.075,105.575 h2 r180
D22: Mechanical 25 "6" at 5.75,115.375 h2 r90; Mechanical 25 "4" at 13.35,115.275 h2 r90; Mechanical 25 "3" at 13.375,100.65 h2 r90; Mechanical 25 "1" at 5.725,100.65 h2 r90
D23: Mechanical 25 "6" at 23.5,115.375 h2 r90; Mechanical 25 "4" at 31.1,115.275 h2 r90; Mechanical 25 "3" at 31.125,100.65 h2 r90; Mechanical 25 "1" at 23.475,100.65 h2 r90
D24: Mechanical 25 "6" at 55,61.75 h2 r90; Mechanical 25 "4" at 62.6,61.65 h2 r90; Mechanical 25 "3" at 62.625,47.025 h2 r90; Mechanical 25 "1" at 54.975,47.025 h2 r90
D25: Mechanical 25 "6" at 38.5,61.75 h2 r90; Mechanical 25 "4" at 46.1,61.65 h2 r90; Mechanical 25 "3" at 46.125,47.025 h2 r90; Mechanical 25 "1" at 38.475,47.025 h2 r90
D26: Mechanical 26 "1" at 30.65,61.275 h2 r90; Mechanical 26 "7" at 38.025,61.625 h2 r90; Mechanical 26 "8" at 38.075,53.1 h2 r90; Mechanical 26 "14" at 30.575,53.925 h2 r90
D27: Mechanical 25 "6" at 22,61.875 h2 r90; Mechanical 25 "4" at 29.6,61.775 h2 r90; Mechanical 25 "3" at 29.625,47.15 h2 r90; Mechanical 25 "1" at 21.975,47.15 h2 r90
D28: Mechanical 25 "6" at 5.875,58.125 h2 r90; Mechanical 25 "4" at 13.475,58.025 h2 r90; Mechanical 25 "3" at 13.5,43.4 h2 r90; Mechanical 25 "1" at 5.85,43.4 h2 r90
D29: Mechanical 25 "1" at 174.4,109.825 h2 r270; Mechanical 25 "7" at 166.6,109.925 h2 r270; Mechanical 25 "8" at 166.675,101.475 h2 r270; Mechanical 25 "14" at 174.225,102.125 h2 r270
D30: Mechanical 25 "1" at 189.575,109.225 h2 r270; Mechanical 25 "7" at 181.775,109.325 h2 r270; Mechanical 25 "8" at 181.85,100.875 h2 r270; Mechanical 25 "14" at 189.4,101.525 h2 r270
D34: Mechanical 26 "1" at 137.1,88.275 h2 r180; Mechanical 26 "7" at 136.75,95.65 h2 r180; Mechanical 26 "8" at 145.275,95.7 h2 r180; Mechanical 26 "14" at 144.45,88.2 h2 r180
D35: Mechanical 26 "9" at 125.5,110.1 h2; Mechanical 26 "8" at 134.1,110.1 h2; Mechanical 26 "16" at 125.944,118.937 h2; Mechanical 26 "1" at 134.072,118.937 h2
D36: Mechanical 26 "1" at 133.575,106.275 h2; Mechanical 26 "7" at 133.675,98.475 h2; Mechanical 26 "8" at 125.225,98.55 h2; Mechanical 26 "14" at 125.875,106.1 h2
D37: Mechanical 26 "9" at 149.5,110.1 h2; Mechanical 26 "8" at 158.1,110.1 h2; Mechanical 26 "16" at 149.944,118.937 h2; Mechanical 26 "1" at 158.072,118.937 h2
D38: Mechanical 26 "1" at 157.825,106.275 h2; Mechanical 26 "7" at 157.925,98.475 h2; Mechanical 26 "8" at 149.475,98.55 h2; Mechanical 26 "14" at 150.125,106.1 h2
G1: Bottom Overlay, Bot Silk "1" at 149.05,66.175 h1; Mechanical 26 "3" at 156.709,57.847 h1.2 r270; Mechanical 26 "2" at 156.582,67.118 h1.2 r270; Mechanical 26 "4" at 150.613,57.847 h1.2 r270; Mechanical 26 "1" at 150.105,67.118 h1.2 r270
N2: Top Overlay, Top Silk "2" at 72.5,133 h1.31; Top Overlay, Top Silk "25" at 124,136.75 h1.31; Top Overlay, Top Silk "1" at 72,137 h1.31; Top Overlay, Top Silk "26" at 124.75,133.25 h1.31; Mechanical 25 "26" at 107.375,125.125 h2; Mechanical 25 "1" at 72.375,129.125 h2; Mechanical 25 "25" at 106.75,128.625 h2; Mechanical 25 "2" at 73.625,124.875 h2
N3: Top Overlay, Top Silk "44" at 185.675,129.825 h1.31; Top Overlay, Top Silk "1" at 130.15,136.15 h1.31; Top Overlay, Top Silk "43" at 185.975,136.525 h1.31; Top Overlay, Top Silk "2" at 131.375,130.75 h1.31; Mechanical 25 "44" at 187.525,132.525 h2; Mechanical 25 "43" at 186.775,136.025 h2; Mechanical 25 "2" at 130.488,131.677 h2; Mechanical 25 "1" at 130.15,135.4 h2
R61*: Mechanical 25 "1" at 56.05,6.65 h2 r180; Mechanical 25 "2" at 40.975,6.8 h2 r180
T1: Mechanical 25 "1" at 117.875,119 h2; Mechanical 25 "32" at 132.275,119 h2; Mechanical 25 "17" at 132.475,98.8 h2; Mechanical 25 "16" at 117.775,99.1 h2
T2: Mechanical 25 "1" at 142.25,119 h2; Mechanical 25 "32" at 156.65,119 h2; Mechanical 25 "17" at 156.85,98.8 h2; Mechanical 25 "16" at 142.15,99.1 h2
VD2: Top Overlay, Top Silk "A" at 55.62,10.369 h1.2 r180; Mechanical 25 "C" at 41.7,11.45 h2 r180; Mechanical 25 "A" at 55.875,11.25 h2 r180
VD3: Bottom Overlay, Bot Silk "A" at 4.419,114.145 h1.2 r90; Mechanical 26 "C" at 5.5,100.225 h2 r90; Mechanical 26 "A" at 5.3,114.4 h2 r90
VD4: Mechanical 26 "+" at 16.625,125.85 h2 r90
VD5: Bottom Overlay, Bot Silk "A" at 25.256,102.38 h1.2 r270; Mechanical 26 "C" at 24.175,116.3 h2 r270; Mechanical 26 "A" at 24.375,102.125 h2 r270
VD6: Mechanical 26 "+" at 55.15,122.75 h2 r180
VD7: Bottom Overlay, Bot Silk "A" at 55.631,101.13 h1.2 r270; Mechanical 26 "C" at 54.55,115.05 h2 r270; Mechanical 26 "A" at 54.75,100.875 h2 r270
VD8: Mechanical 26 "+" at 48.75,62.6 h2 r90
VD9: Bottom Overlay, Bot Silk "A" at 60.756,52.505 h1.2 r270; Mechanical 26 "C" at 59.675,66.425 h2 r270; Mechanical 26 "A" at 59.875,52.25 h2 r270
VD10: Mechanical 26 "+" at 20.875,65.475 h2 r90
VD11: Bottom Overlay, Bot Silk "A" at 14.131,50.13 h1.2 r270; Mechanical 26 "C" at 13.05,64.05 h2 r270; Mechanical 26 "A" at 13.25,49.875 h2 r270
VD12: Top Overlay, Top Silk "1" at 174.825,123.6 h1; Top Overlay, Top Silk "2" at 172.825,123.6 h1; Top Overlay, Top Silk "3" at 173.875,117.125 h1; Mechanical 25 "3" at 173.744,117.825 h2; Mechanical 25 "2" at 172.8,123.15 h2; Mechanical 25 "1" at 174.825,123.15 h2
VD13: Top Overlay, Top Silk "1" at 168.575,123.6 h1; Top Overlay, Top Silk "2" at 166.575,123.6 h1; Top Overlay, Top Silk "3" at 167.625,117.25 h1; Mechanical 25 "3" at 167.494,117.825 h2; Mechanical 25 "2" at 166.55,123.15 h2; Mechanical 25 "1" at 168.575,123.15 h2
VD14: Top Overlay, Top Silk "1" at 190.125,123.625 h1; Top Overlay, Top Silk "2" at 188.125,123.625 h1; Top Overlay, Top Silk "3" at 189.175,117.275 h1; Mechanical 25 "3" at 189.044,117.85 h2; Mechanical 25 "2" at 188.1,123.175 h2; Mechanical 25 "1" at 190.125,123.175 h2
VD15: Top Overlay, Top Silk "3" at 183.05,117.275 h1; Top Overlay, Top Silk "2" at 182,123.625 h1; Top Overlay, Top Silk "1" at 184,123.625 h1; Mechanical 25 "1" at 184,123.175 h2; Mechanical 25 "2" at 181.975,123.175 h2; Mechanical 25 "3" at 182.919,117.85 h2
VT1: Bottom Overlay, Bot Silk "E" at 181.15,40.225 h1; Bottom Overlay, Bot Silk "B" at 181.175,43.175 h1; Bottom Overlay, Bot Silk "C" at 181.325,41.7 h1; Mechanical 26 "C" at 181.5,41.7 h2; Mechanical 26 "B" at 181.4,43.2 h2; Mechanical 26 "E" at 181.325,40.225 h2
VT2: Bottom Overlay, Bot Silk "C" at 181.325,35.95 h1; Bottom Overlay, Bot Silk "B" at 181.175,37.425 h1; Bottom Overlay, Bot Silk "E" at 181.15,34.475 h1; Mechanical 26 "E" at 181.075,34.475 h2; Mechanical 26 "B" at 181.15,37.45 h2; Mechanical 26 "C" at 181.25,35.95 h2
VT3: Top Overlay, Top Silk "E" at 182.475,78.2 h1 r180; Top Overlay, Top Silk "B" at 182.5,75.25 h1 r180; Top Overlay, Top Silk "C" at 182.65,76.725 h1 r180; Mechanical 25 "C" at 182.575,76.725 h2 r180; Mechanical 25 "B" at 182.475,75.225 h2 r180; Mechanical 25 "E" at 182.4,78.2 h2 r180
VT4: Top Overlay, Top Silk "E" at 182.35,72.525 h1 r180; Top Overlay, Top Silk "B" at 182.375,69.575 h1 r180; Top Overlay, Top Silk "C" at 182.525,71.05 h1 r180; Mechanical 25 "C" at 182.45,71.05 h2 r180; Mechanical 25 "B" at 182.35,69.55 h2 r180; Mechanical 25 "E" at 182.275,72.525 h2 r180
VT5: Bottom Overlay, Bot Silk "C" at 181.15,7.525 h1; Bottom Overlay, Bot Silk "B" at 181,9 h1; Bottom Overlay, Bot Silk "E" at 180.975,6.05 h1; Mechanical 26 "E" at 180.9,6.05 h2; Mechanical 26 "B" at 180.975,9.025 h2; Mechanical 26 "C" at 181.075,7.525 h2
VT6: Top Overlay, Top Silk "E" at 182.275,60.875 h1 r180; Top Overlay, Top Silk "B" at 182.3,57.925 h1 r180; Top Overlay, Top Silk "C" at 182.45,59.4 h1 r180; Mechanical 25 "C" at 182.375,59.4 h2 r180; Mechanical 25 "B" at 182.275,57.9 h2 r180; Mechanical 25 "E" at 182.2,60.875 h2 r180
VT7: Top Overlay, Top Silk "E" at 182.425,66.6 h1 r180; Top Overlay, Top Silk "B" at 182.45,63.65 h1 r180; Top Overlay, Top Silk "C" at 182.6,65.125 h1 r180; Mechanical 25 "C" at 182.525,65.125 h2 r180; Mechanical 25 "B" at 182.425,63.625 h2 r180; Mechanical 25 "E" at 182.35,66.6 h2 r180
VT8: Bottom Overlay, Bot Silk "E" at 77.15,9.075 h1 r180; Bottom Overlay, Bot Silk "B" at 77.125,6.125 h1 r180; Bottom Overlay, Bot Silk "C" at 76.975,7.6 h1 r180; Mechanical 26 "C" at 76.6,7.675 h2 r180; Mechanical 26 "B" at 76.7,6.175 h2 r180; Mechanical 26 "E" at 76.775,9.15 h2 r180
VT9: Bottom Overlay, Bot Silk "E" at 124.575,24.975 h1 r90; Bottom Overlay, Bot Silk "B" at 121.625,25 h1 r90; Bottom Overlay, Bot Silk "C" at 123.1,25.15 h1 r90; Mechanical 26 "C" at 123.1,25.075 h2 r90; Mechanical 26 "B" at 121.6,24.975 h2 r90; Mechanical 26 "E" at 124.575,24.9 h2 r90
XP1: Mechanical 25 "2" at 179.75,46.2 h2; Mechanical 25 "1" at 174.45,46.05 h2; Mechanical 25 "8" at 180,52.525 h2; Mechanical 25 "7" at 174.2,52.45 h2
XP2: Mechanical 26 "7" at 174.3,49.325 h2 r180; Mechanical 26 "8" at 180.1,49.25 h2 r180; Mechanical 26 "1" at 174.55,55.725 h2 r180; Mechanical 26 "2" at 179.85,55.575 h2 r180
XP3: Mechanical 25 "3" at 180,24.65 h2 r90; Mechanical 25 "1" at 180.189,16.732 h2 r90
XP4: Mechanical 25 "1" at 180.189,25.482 h2 r90; Mechanical 25 "3" at 180,33.4 h2 r90
XP5: Mechanical 25 "2" at 170.17,65.81 h2 r90; Mechanical 25 "1" at 172.67,66.06 h2 r90; Mechanical 25 "6" at 170.095,73.61 h2 r90; Mechanical 25 "5" at 172.62,73.56 h2 r90
XP6: Mechanical 25 "1" at 168.065,47.95 h2 r270; Mechanical 25 "2" at 170.765,48.05 h2 r270; Mechanical 25 "10" at 170.92,35.13 h1.5 r270; Mechanical 25 "9" at 168.17,34.63 h1.5 r270
XP7: Mechanical 25 "2" at 169.675,54.925 h2 r90; Mechanical 25 "1" at 169.764,49.177 h2 r90
XP8: Mechanical 25 "2" at 107.08,33.845 h2; Mechanical 25 "1" at 107.18,31.145 h2; Mechanical 25 "13" at 124.98,31.25 h2; Mechanical 25 "14" at 124.98,33.75 h2
XP9: Mechanical 25 "9" at 111.085,91.75 h1.5 r180; Mechanical 25 "10" at 111.585,89 h1.5 r180; Mechanical 25 "2" at 124.505,89.155 h2 r180; Mechanical 25 "1" at 124.405,91.855 h2 r180
XT1: Top Overlay, Top Silk "C30" at 191.75,79.25 h2 r90; Top Overlay, Top Silk "A30" at 187.25,79.248 h2 r90; Top Overlay, Top Silk "B30" at 189.5,79.25 h2 r90; Top Overlay, Top Silk "D30" at 194,79.25 h2 r90; Top Overlay, Top Silk "C1" at 191.8,15.9 h2 r90; Top Overlay, Top Silk "A1" at 187.5,15.898 h2 r90; Top Overlay, Top Silk "B1" at 189.7,15.9 h2 r90; Top Overlay, Top Silk "D1" at 193.9,15.9 h2 r90; Mechanical 25 "D1" at 193.75,16.5 h2 r90; Mechanical 25 "B1" at 189.75,16.593 h2 r90; Mechanical 25 "A1" at 187.5,16.458 h2 r90; Mechanical 25 "C1" at 191.75,16.45 h2 r90; Mechanical 25 "D30" at 194,79.25 h2 r90; Mechanical 25 "B30" at 189.5,79.25 h2 r90; Mechanical 25 "A30" at 187.25,79.248 h2 r90; Mechanical 25 "C30" at 191.75,79.25 h2 r90